# Altium PCB SPG300 Rev05.PcbDoc (part 2 of 8)
Units mm, origin at the board's own origin, x right, y up, seen from the top; angles counter-clockwise.
Board outline 176 x 152 mm, 6 copper layers (Top Layer, GND, Layer 1, Layer 2, PWR, Bottom Layer), stack 1.924 mm thick; 738 components, 393 nets, 2440 pads, 974 vias.
Unrouted connection lines stored in the file: 395.
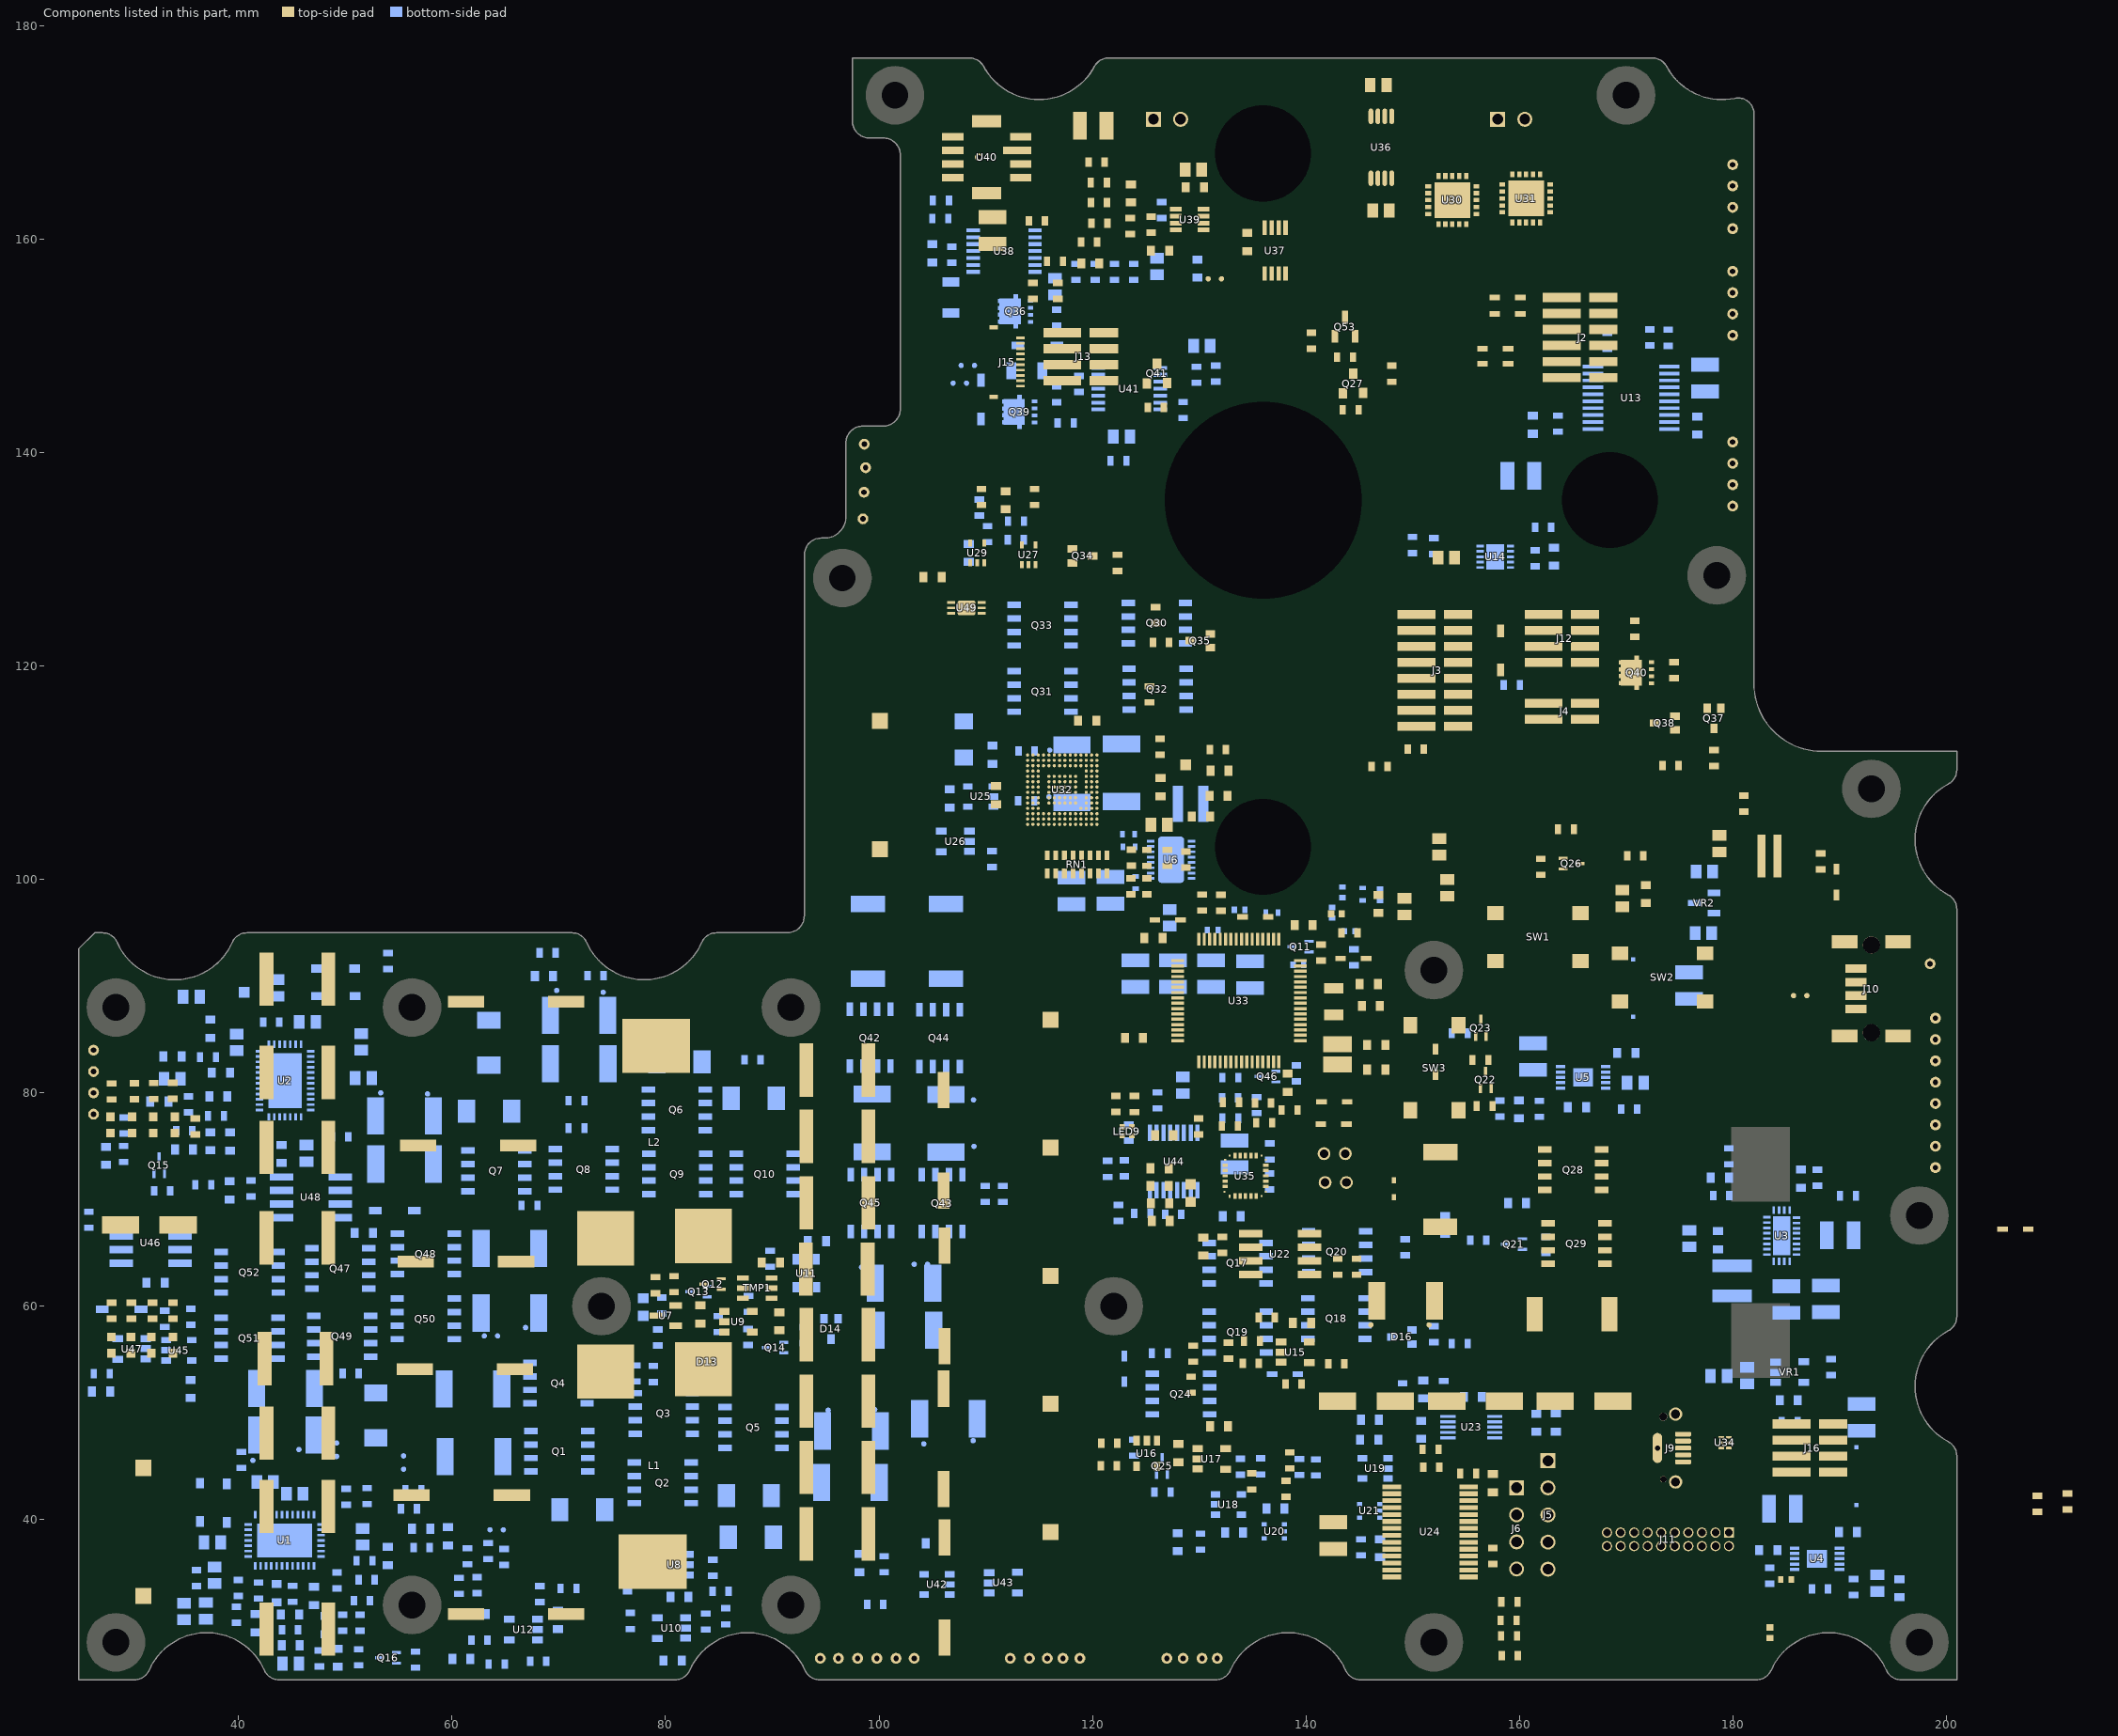
[diagram p6: the components of this part, seen from the top]

## Components (designator, comment, footprint, x,y, rotation, side; value= is the part's Value field where it differs from the comment) (continued)
R95 "RES SMD 0603" "SMD 0603 (1608 Metric)" 87.726,57.125 r90 bottom value=1K
R96 "RES SMD 0603" "SMD 0603 (1608 Metric)" 89.799,64.45 r270 bottom value=10K
R97 "RES SMD 0603" "SMD 0603 (1608 Metric)" 64.175,26.451 r180 bottom value=100
R98 "RES SMD 0603" "SMD 0603 (1608 Metric)" 68.075,26.724 r0 bottom value=10K
R99 "RES SMD 0603" "SMD 0603 (1608 Metric)" 62.5,31.151 r180 bottom value=45K
R100 "RES SMD 0603" "SMD 0603 (1608 Metric)" 92.999,57.3 r270 bottom value=10K
R101 "RES SMD 0603" "SMD 0603 (1608 Metric)" 79.649,60.075 r270 bottom value=10K
R102 "RES SMD 0603" "SMD 0603 (1608 Metric)" 29.291,76.95 r90 bottom value=11.5K
R103 "RES SMD 0603" "SMD 0603 (1608 Metric)" 51.375,30.325 r90 bottom value=11.5K
R104 "RES SMD 0603" "SMD 0603 (1608 Metric)" 79.275,57.075 r270 bottom value=620
R105 "RES SMD 0603" "SMD 0603 (1608 Metric)" 29.216,74.275 r90 bottom value=1K
R106 "RES SMD 0603" "SMD 0603 (1608 Metric)" 51.25,27.1 r90 bottom value=1K
R107 "RES SMD 0603" "SMD 0603 (1608 Metric)" 32.82,70.81 r180 bottom value=10K
R108 "RES SMD 0603" "SMD 0603 (1608 Metric)" 56.574,26.875 r270 bottom value=10K
R109 "RES SMD 0603" "SMD 0603 (1608 Metric)" 149.301,65.522 r90 bottom value=100K
R110 "RES SMD 0603" "SMD 0603 (1608 Metric)" 156.36,83.076 r0 top value=10K
R111 "RES SMD 0603" "SMD 0603 (1608 Metric)" 156.149,66.199 r0 bottom value=4.99K
R112 "RES SMD 0603" "SMD 0603 (1608 Metric)" 151.999,57.371 r270 bottom value=499K
R113 "RES SMD 0603" "SMD 0603 (1608 Metric)" 154.425,56.496 r180 bottom value=499K
R114 "RES SMD 0603" "SMD 0603 (1608 Metric)" 162.5,65.75 r90 bottom value=100K
R115 "RES SMD 0603" "SMD 0603 (1608 Metric)" 156.75,78.774 r180 top value=100K
R116 "RES SMD 0603" "SMD 0603 (1608 Metric)" 181.051,107.105 r270 top value=470
R117 "RES SMD 0603" "SMD 0603 (1608 Metric)" 126.321,55.603 r180 bottom value=10K
R118 "RES SMD 0603" "SMD 0603 (1608 Metric)" 150.299,112.225 r0 top value=332K
R119 "RES SMD 0603" "SMD 0603 (1608 Metric)" 123.901,46.74 r90 bottom value=1K
R120 "RES SMD 0603" "SMD 0603 (1608 Metric)" 146.9,110.599 r180 top value=10K
R121 "RES SMD 0603" "SMD 0603 (1608 Metric)" 126.574,42.575 r0 bottom value=100K
R122 "RES SMD 0603" "SMD 0603 (1608 Metric)" 164.37,104.701 r0 top value=10K
R123 "RES SMD 0603" "SMD 0603 (1608 Metric)" 170.876,102.223 r0 top value=1K
R124 "RES SMD 0603" "SMD 0603 (1608 Metric)" 172.225,150.8 r270 bottom value=2.2K
R125 "RES SMD 0603" "SMD 0603 (1608 Metric)" 173.953,150.775 r90 bottom value=2.2K
R126 "RES SMD 0603" "SMD 0603 (1608 Metric)" 163.627,142.717 r270 bottom value=16.9K
R127 "RES SMD 0603" "SMD 0603 (1608 Metric)" 152.001,131.249 r90 bottom value=2.2K
R128 "RES SMD 0603" "SMD 0603 (1608 Metric)" 150.001,131.349 r90 bottom value=2.2K
R129 "RES SMD 0603" "SMD 0603 (1608 Metric)" 162.02,101.189 r90 top value=100K
R130 "RES SMD 0603" "SMD 0603 (1608 Metric)" 168.25,150.5 r270 bottom value=10K
R131 "RES SMD 0603" "SMD 0603 (1608 Metric)" 161.501,130.099 r90 bottom value=976K
R132 "RES SMD 0603" "SMD 0603 (1608 Metric)" 162.25,133 r180 bottom value=102K
R133 "RES SMD 0603" "SMD 0603 (1608 Metric)" 136.35,58.949 r180 top value="1K 0.1%"
R134 "RES SMD 0603" "SMD 0603 (1608 Metric)" 134.85,54.649 r180 top value="10K 0.1%"
R135 "RES SMD 0603" "SMD 0603 (1608 Metric)" 134.95,56.736 r0 top value=324
R136 "RES SMD 0603" "SMD 0603 (1608 Metric)" 142.85,54.6 r0 top value="10K 0.1%"
R137 "RES SMD 0603" "SMD 0603 (1608 Metric)" 138.85,52.699 r180 top value="1K 0.1%"
R138 "RES SMD 0603" "SMD 0603 (1608 Metric)" 132.749,55.85 r90 top value=976
R139 "RES SMD 0603" "SMD 0603 (1608 Metric)" 129.251,52.65 r270 top value="10K 0.1%"
R140 "RES SMD 0603" "SMD 0603 (1608 Metric)" 129.451,55.55 r270 top value=806
R141 "RES SMD 2512" "SMD 2512 (6332 Metric)" 106.516,49.449 r0 bottom value=0.005
R142 "RES SMD 0603" "SMD 0603 (1608 Metric)" 121.538,45.049 r180 top value=5K
R143 "RES SMD 0603" "SMD 0603 (1608 Metric)" 121.589,47.15 r180 top value=5K
R144 "RES SMD 0603" "SMD 0603 (1608 Metric)" 138.15,42.9 r270 top value=30K
R145 "RES SMD 0603" "SMD 0603 (1608 Metric)" 134.927,43.58 r270 top value="250K, 0.1%"
R146 "RES SMD 0603" "SMD 0603 (1608 Metric)" 138.5,45.55 r270 top value="28K, 0.1%"
R147 "RES SMD 0603" "SMD 0603 (1608 Metric)" 145.178,37.405 r90 bottom value=453K
R148 "RES SMD 0603" "SMD 0603 (1608 Metric)" 130.126,37.93 r90 bottom value=453K
R149 "RES SMD 0603" "SMD 0603 (1608 Metric)" 140.94,44.89 r270 bottom value=5K
R150 "RES SMD 0603" "SMD 0603 (1608 Metric)" 139.399,44.94 r270 bottom value=5K
R151 "RES SMD 0603" "SMD 0603 (1608 Metric)" 133.863,44.965 r270 bottom value=5K
R152 "RES SMD 0603" "SMD 0603 (1608 Metric)" 135.778,44.99 r270 bottom value=5K
R153 "RES SMD 0603" "SMD 0603 (1608 Metric)" 132.176,65.75 r270 top value=2M
R154 "RES SMD 2512" "SMD 2512 (6332 Metric)" 149.35,60.499 r180 top value=0.005
R155 "RES SMD 0603" "SMD 0603 (1608 Metric)" 143.001,63.7 r90 top value=4.99K
R156 "RES SMD 0603" "SMD 0603 (1608 Metric)" 144.75,63.7 r90 top value=4.99K
R157 "RES SMD 0603" "SMD 0603 (1608 Metric)" 152.926,52.25 r90 bottom value=5K
R158 "RES SMD 0603" "SMD 0603 (1608 Metric)" 149.074,52.025 r270 bottom value=1K
R159 "RES SMD 0603" "SMD 0603 (1608 Metric)" 159.051,29.101 r0 top value=4.99K
R160 "RES SMD 0603" "SMD 0603 (1608 Metric)" 159.001,30.551 r0 top value=4.99K
R161 "RES SMD 0603" "SMD 0603 (1608 Metric)" 159.1,27.251 r0 top value=4.99K
R162 "RES SMD 0603" "SMD 0603 (1608 Metric)" 159.08,32.299 r180 top value=1K
R163 "RES SMD 0603" "SMD 0603 (1608 Metric)" 155.206,44.33 r180 top value=10K
R164 "RES SMD 0603" "SMD 0603 (1608 Metric)" 157.531,36.581 r90 top value=10K
R165 "RES SMD 0603" "SMD 0603 (1608 Metric)" 151.75,44.916 r0 top value=10K
R166 "RES SMD 0603" "SMD 0603 (1608 Metric)" 151.69,46.594 r0 top value=10K
R167 "RES SMD 2512" "SMD 2512 (6332 Metric)" 122.726,110.002 r90 bottom value=.010
R168 "RES SMD 2512" "SMD 2512 (6332 Metric)" 118.076,109.925 r90 bottom value=.010
R169 "RES SMD 0603" "SMD 0603 (1608 Metric)" 113.8,107.374 r0 bottom value=5K
R170 "RES SMD 0603" "SMD 0603 (1608 Metric)" 113.825,112.049 r0 bottom value=5K
R171 "RES SMD 0603" "SMD 0603 (1608 Metric)" 125.93,124.775 r270 top value=1K
R172 "RES SMD 0603" "SMD 0603 (1608 Metric)" 125.351,117.35 r270 top value=1K
R173 "RES SMD 0603" "SMD 0603 (1608 Metric)" 122.347,129.676 r270 top value=1.5K
R174 "RES SMD 0603" "SMD 0603 (1608 Metric)" 126.425,122.224 r180 top value=1.5K
R175 "RES SMD 0603" "SMD 0603 (1608 Metric)" 110.601,101.925 r90 bottom value=250K
R176 "RES SMD 0603" "SMD 0603 (1608 Metric)" 114.574,135.85 r270 top value=10K
R177 "RES SMD 0603" "SMD 0603 (1608 Metric)" 112.825,131.85 r0 bottom value=10K
R178 "RES SMD 0603" "SMD 0603 (1608 Metric)" 112.844,133.575 r0 bottom value=499K
R179 "RES SMD 0603" "SMD 0603 (1608 Metric)" 109.399,134.866 r270 bottom value=1M
R180 "RES SMD 0603" "SMD 0603 (1608 Metric)" 110.175,132.367 r90 bottom value=523K
R181 "RES SMD 0603" "SMD 0603 (1608 Metric)" 109.599,135.85 r270 top value=10K
R182 "RES SMD 0603" "SMD 0603 (1608 Metric)" 122.195,78.976 r90 top value=249
R183 "RES SMD 0603" "SMD 0603 (1608 Metric)" 123.945,78.95 r90 top value=249
R184 "RES SMD 0603" "SMD 0603 (1608 Metric)" 188.251,101.7 r270 top value=1K
R185 "RES SMD 0603" "SMD 0603 (1608 Metric)" 138.474,78.399 r180 top value=10K
R186 "RES SMD 0603" "SMD 0603 (1608 Metric)" 141.425,93.15 r90 top value=20K*
R187 "RES SMD 0603" "SMD 0603 (1608 Metric)" 129.956,76.85 r90 top value=10K
R188 "RES SMD 0603" "SMD 0603 (1608 Metric)" 144.1,94.999 r180 top value=100
R189 "RES SMD 0603" "SMD 0603 (1608 Metric)" 127.026,102.024 r270 top value=2.2K
R190 "RES SMD 0603" "SMD 0603 (1608 Metric)" 128.751,101.875 r270 top value=2.2K
R191 "RES SMD 0603" "SMD 0603 (1608 Metric)" 132.977,79.124 r180 top value=2.2K
R192 "RES SMD 0603" "SMD 0603 (1608 Metric)" 132.05,97.811 r270 top value=100
R193 "RES SMD 0603" "SMD 0603 (1608 Metric)" 135.975,79.048 r0 top value=2.2K
R194 "RES SMD 0603" "SMD 0603 (1608 Metric)" 132.876,76.896 r0 top value=100
R195 "RES SMD 0603" "SMD 0603 (1608 Metric)" 130.275,97.837 r270 top value=100
R196 "RES SMD 0603" "SMD 0603 (1608 Metric)" 136.09,77.2 r0 top value=100
R197 "RES SMD 0603" "SMD 0603 (1608 Metric)" 125.099,102.024 r90 top value=1K
R198 "RES SMD 0603" "SMD 0603 (1608 Metric)" 123.601,99.35 r270 top value=10K
R199 "RES SMD 0603" "SMD 0603 (1608 Metric)" 125.1,99.349 r90 top value=10K
R200 "RES SMD 0603" "SMD 0603 (1608 Metric)" 123.654,102.05 r270 top value=15K
R201 "RES SMD 0603" "SMD 0603 (1608 Metric)" 126.351,112.441 r270 top value=49.9K
R202 "RES SMD 0603" "SMD 0603 (1608 Metric)" 131.75,112.175 r180 top value=49.9K
R203 "RES SMD 0603" "SMD 0603 (1608 Metric)" 105.799,163.649 r0 bottom value=DNI
R204 "RES SMD 0603" "SMD 0603 (1608 Metric)" 123.551,161.251 r270 top value=121K,
R205 "RES SMD 0603" "SMD 0603 (1608 Metric)" 118.45,156.952 r270 bottom value=1.5K
R206 "RES SMD 0603" "SMD 0603 (1608 Metric)" 105.75,161.949 r0 bottom value=0
R207 "RES SMD 0603" "SMD 0603 (1608 Metric)" 120.6,165.31 r0 top value=499
R208 "RES SMD 0603" "SMD 0603 (1608 Metric)" 125.5,161.366 r270 top value=7.5K
R209 "RES SMD 0603" "SMD 0603 (1608 Metric)" 120.399,167.229 r0 top value=4.99K
R210 "RES SMD 0603" "SMD 0603 (1608 Metric)" 122.072,156.952 r270 bottom value=120K
R211 "RES SMD 0603" "SMD 0603 (1608 Metric)" 123.871,156.952 r270 bottom value=120K
R212 "RES SMD 0603" "SMD 0603 (1608 Metric)" 120.25,156.952 r270 bottom value=182K
R213 "RES SMD 0603" "SMD 0603 (1608 Metric)" 116.659,152.651 r270 bottom value=10K
R214 "RES SMD 0603" "SMD 0603 (1608 Metric)" 106.823,158.549 r90 bottom value=1K
R215 "RES SMD 0603" "SMD 0603 (1608 Metric)" 116.5,157.949 r180 top value=499
R216 "RES SMD 0603" "SMD 0603 (1608 Metric)" 120.666,161.501 r0 top value=40.2K
R217 "RES SMD 1206" "SMD 1206 (3216 Metric)" 106.726,154.55 r90 bottom value=1
R218 "RES SMD 0603" "SMD 0603 (1608 Metric)" 114.794,161.724 r0 top value=4.99K
R219 "RES SMD 0603" "SMD 0603 (1608 Metric)" 119.701,159.749 r180 top value=1M
R220 "RES SMD 0603" "SMD 0603 (1608 Metric)" 120.602,163.444 r180 top value=383
R221 "RES SMD 0603" "SMD 0603 (1608 Metric)" 118.751,146.451 r90 bottom value=DNI
R222 "RES SMD 0603" "SMD 0603 (1608 Metric)" 170.834,123.5 r90 top value=10K
R223 "RES SMD 0603" "SMD 0603 (1608 Metric)" 122.445,139.251 r180 bottom value=1.5K
R224 "RES SMD 0402" "SMD 0402 (1005 Metric)" 185,34.4 r0 top value=10K
R225 "RES SMD 0603" "SMD 0603 (1608 Metric)" 117.5,142.799 r0 bottom value=0
R226 "RES SMD 0603" "SMD 0603 (1608 Metric)" 174.185,110.671 r180 top value=499K
R227 "RES SMD 0603" "SMD 0603 (1608 Metric)" 178.25,111.372 r270 top value=100K
R228 "RES SMD 0603" "SMD 0603 (1608 Metric)" 128.501,144 r270 bottom value=182K
R229 "RES SMD 0603" "SMD 0603 (1608 Metric)" 131.551,147.423 r90 bottom value=120K
R230 "RES SMD 0603" "SMD 0603 (1608 Metric)" 129.751,147.299 r90 bottom value=120K
R231 "RES SMD 0603" "SMD 0603 (1608 Metric)" 116.659,145.475 r270 bottom value=10K
R232 "RES SMD 0603" "SMD 0603 (1608 Metric)" 126.501,162.75 r90 bottom value=1K
R233 "RES SMD 1206" "SMD 1206 (3216 Metric)" 113.852,147.674 r0 bottom value=1
R234 "RES SMD 0603" "SMD 0603 (1608 Metric)" 148.049,147.4 r90 top value=4.99K
R235 "RES SMD 0603" "SMD 0603 (1608 Metric)" 125.951,144.25 r180 top value=10K
R236 "RES SMD 0603" "SMD 0603 (1608 Metric)" 174.5,119.62 r90 top value=10K
R237 "RES SMD 0603" "SMD 0603 (1608 Metric)" 109.951,70.525 r90 bottom value=5K
R238 "RES SMD 0603" "SMD 0603 (1608 Metric)" 111.601,70.525 r90 bottom value=5K
R239 "RES SMD 2512" "SMD 2512 (6332 Metric)" 99.351,77.175 r90 bottom value=.004
R240 "RES SMD 2512" "SMD 2512 (6332 Metric)" 106.276,77.149 r90 bottom value=.004
R241 "RES SMD 0603" "SMD 0603 (1608 Metric)" 136.623,74.5 r90 bottom value=33K
R242 "RES SMD 0603" "SMD 0603 (1608 Metric)" 126.099,79.3 r270 bottom value=90.9K
R243 "RES SMD 0603" "SMD 0603 (1608 Metric)" 100.495,35.824 r90 bottom value="250K, 0.1%"
R244 "RES SMD 0603" "SMD 0603 (1608 Metric)" 124.679,68.712 r180 bottom value=255K
R245 "RES SMD 0603" "SMD 0603 (1608 Metric)" 123.41,76.274 r270 bottom value="10K 0.1%"
R246 "RES SMD 0603" "SMD 0603 (1608 Metric)" 99.644,32.051 r180 bottom value=61.9K
R247 "RES SMD 0603" "SMD 0603 (1608 Metric)" 136.599,71.7 r270 bottom value="1K 0.1%"
R248 "RES SMD 0603" "SMD 0603 (1608 Metric)" 127.575,68.625 r180 bottom value=2.7
R249 "RES SMD 0603" "SMD 0603 (1608 Metric)" 132.925,77.624 r0 bottom value=10K
R250 "RES SMD 0603" "SMD 0603 (1608 Metric)" 132.9,79.525 r0 bottom value=200K
R251 "RES SMD 0603" "SMD 0603 (1608 Metric)" 132.925,81.421 r180 bottom value=1.45K
R252 "RES SMD 0603" "SMD 0603 (1608 Metric)" 123,72.923 r90 bottom value=20K
R253 "RES SMD 0603" "SMD 0603 (1608 Metric)" 135.4,78.85 r270 bottom value=0
R254 "RES SMD 0603" "SMD 0603 (1608 Metric)" 139.101,81.82 r90 bottom value=10K
R255 "RES SMD 0603" "SMD 0603 (1608 Metric)" 116.76,155.166 r90 top value=10K
R256 "RES SMD 0603" "SMD 0603 (1608 Metric)" 114.423,155.17 r90 top value=10K
R257 "RES SMD 2512" "SMD 2512 (6332 Metric)" 44.378,47.929 r0 bottom value=.004
R258 "RES SMD 2512" "SMD 2512 (6332 Metric)" 44.391,52.285 r0 bottom value=.004
R259 "RES SMD 0603" "SMD 0603 (1608 Metric)" 36.676,71.399 r180 bottom value=2M
R260 "RES SMD 0603" "SMD 0603 (1608 Metric)" 33.062,58.82 r90 bottom value=5K
R261 "RES SMD 0603" "SMD 0603 (1608 Metric)" 35.52,59 r90 bottom value=5K
R262 "RES SMD 0603" "SMD 0603 (1608 Metric)" 27.175,53.675 r0 bottom value=64.9K
R263 "RES SMD 0603" "SMD 0603 (1608 Metric)" 40.255,45.593 r90 bottom value=90.9K
R264 "RES SMD 0603" "SMD 0603 (1608 Metric)" 25.95,68.1 r270 bottom value=10K
R265 "RES SMD 0603" "SMD 0603 (1608 Metric)" 41.151,71.043 r270 bottom value=10K
R266 "RES SMD 0603" "SMD 0603 (1608 Metric)" 122.45,68.75 r270 bottom value="10K 0.1%"
R267 "RES SMD 0603" "SMD 0603 (1608 Metric)" 154.419,85.598 r0 bottom value=10K
R268 "RES SMD 0603" "SMD 0603 (1608 Metric)" 159.3,118.225 r0 bottom value=10K
R269 "RES SMD 0603" "SMD 0603 (1608 Metric)" 208.55,41.475 r90 top value=1K
R270 "RES SMD 0603" "SMD 0603 (1608 Metric)" 211.375,41.7 r90 top value=1K
R271 "RES SMD 0603" "SMD 0603 (1608 Metric)" 144.2,144.025 r0 top value=10K
R272 "RES SMD 0603" "SMD 0603 (1608 Metric)" 121.437,72.873 r90 bottom value=1.45K
R273 "RES SMD 0603" "SMD 0603 (1608 Metric)" 140.516,150.5 r270 top value=4.99K
R274 "RES SMD 0603" "SMD 0603 (1608 Metric)" 143.675,148.959 r0 top value=4.99K
REF_1 "Test Point" "Test Point 1mm"#18 198.739,74.745 r90 top
RN1 "Resistor Network" "RESN 742 h=.35" 118.575,101.426 r270 top value=33K
RXD1 "Test Point" "Test Point 1mm"#7 131.7,27 r90 top
SIADJ1 "Test Point" "Test Point 1mm"#19 43.1,93.6 r90 top
SMB_INT_SCL1 "Test Point" "Test Point 1mm"#20 179.836,141 r90 top
SMB_INT_SDA1 "Test Point" "Test Point 1mm"#21 180.399,139.7 r90 top
STKFAN1 "Test Point" "Test Point 1mm"#7 98.624,140.8 r90 top
SW1 "Switch Mom" "C&K PTE645-SMT" 161.759,94.601 r0 top
SW2 "Switch Mom" "C&K PTE645-SMT" 173.426,90.826 r0 top
SW3 "Switch Mom" "C&K PTE645-SMT" 152.051,82.35 r90 top
TEMPLIM1 "Test Point" "Test Point 1mm"#22 101.599,26.3 r90 top
TH1 "THERM" "RESC 0603 (1608 Metric)_N" 77.9,59.924 r90 bottom value=10K
TH2 "THERM" "RESC 0603 (1608 Metric)_N" 129.2,70.6 r90 top value=10K
TMP1 "TMP100" SOT23-6N 88.601,61.7 r180 top
TXD1 "Test Point" "Test Point 1mm"#7 130.274,27 r90 top
TZ1 "Transient voltage suppressor- prevents ESD on inputs." DO214AB-SMC 106.275,94.2 r90 bottom
U1 "LT8705" QFN38 44.3,38.05 r0 bottom
U2 "LT8705" QFN38 44.338,81.151 r270 bottom
U3 "LT8620" "QFN24-EP-LTC UDD" 184.59,66.593 r180 bottom
U4 "LT8607" MSOP10-EP 187.901,36.338 r180 bottom
U5 "LT8607" MSOP10-EP 165.976,81.45 r180 bottom
U6 "LTC3115-1" DFN16-EP 127.373,101.85 r180 bottom
U7 "TC1047A" SOT23-3L 80.026,59.125 r180 top
U8 "LMC7101" SOT23-5 80.826,35.775 r180 bottom
U9 "LMC7101" SOT23-5 86.825,58.549 r0 top
U10 "LMC7101" SOT23-5 80.551,29.85 r180 bottom
U11 "LMC7101" SOT23-5 93.175,63.101 r270 bottom
U12 "LMC7101" SOT23-5 66.676,29.7 r180 bottom
U13 "ADM3260" SSOP-20 170.484,145.149 r0 bottom
U14 "LTC4316" "DFN10-EP - LTC" 157.752,130.249 r180 bottom
U15 "LMC7101" SOT23-5 138.999,55.7 r0 top
U16 "ZXCT1082" "SOT23-5L 3.0x1.5x145" 125.1,46.201 r270 top value=ZXCT1802
U17 "LMC7101" SOT23-5 131.172,45.7 r0 top
U18 "ZXCT1082" "SOT23-5L 3.0x1.5x145" 132.748,41.424 r0 bottom value=ZXCT1802
U19 "ZXCT1082" "SOT23-5L 3.0x1.5x145" 146.501,44.795 r180 bottom value=ZXCT1802
U20 "AD8500" SC70-5 137.052,38.9 r180 bottom value=LMC7101
U21 "AD8500" SC70-5 145.978,40.824 r180 bottom value=LMC7101
U22 "MIC5021" SOIC-8 137.6,64.899 r180 top
U23 "ADS1115" TFSSOP-10 155.5,48.675 r0 bottom
U24 "PIC24FJ64" SSOP28 151.651,38.856 r180 top value=PIC24FJ64GA002-E/SS-ND
U25 "ZXCT1082" "SOT23-5L 3.0x1.5x145" 109.526,107.774 r180 bottom
U26 "LMC7101" SOT23-5 107.151,103.574 r180 bottom
U27 "74AUP1G08" SOT353-1-5L 114.021,130.449 r90 top
U29 "74AUP1G08" SOT353-1-5L 109.21,130.624 r90 top
U30 "MCP9600/L00" MQFN20-EP 153.727,163.675 r270 top
U31 "MCP9600/L00" MQFN20-EP 160.65,163.827 r270 top
U32 "MTFC8GACAAAM - SPECIAL" BGA-153 117.174,108.415 r180 top value=MTFC8GACAAAM
U33 "STM32L476RG" LQFP64P 133.727,88.65 r90 top
U34 "TPD4S012" DFN1410-6 179.274,47.213 r0 top
U35 "STM8L151G3U6" "UFQFPN28 - ST Micro" 134.349,72.225 r0 top value=STM8L151G
U36 "AT24HC020" TSSOP-8 147.074,168.625 r90 top value=AT24HC02
U37 "MAX11613" "uMAX 8" 137.125,158.948 r90 top
U38 "DRV110" TSSOP-14 111.725,158.9 r180 bottom
U39 "OPA2379" SOT23-8-H1.45 129.125,161.849 r0 top
U40 "ICSP 1471-15G-T" "ICSP1451 Top Barb" 110.101,167.7 r180 top
U41 "DRV110" TSSOP-14 123.451,146 r180 bottom
U42 "ZXCT1082" "SOT23-5L 3.0x1.5x145" 105.426,33.925 r180 bottom value=ZXCT1802
U43 "LMC7101" SOT23-5 111.648,34.075 r0 bottom
U44 "ADM1270 Input Protection Device" QSOP16 127.619,73.572 r270 bottom value=AMD1270
U45 "ZXCT1082" "SOT23-5L 3.0x1.5x145" 34.399,55.875 r0 bottom value=ZXCT1802
U46 "MIC5021" SOIC-8 31.75,65.954 r0 bottom
U47 "LMC7101" SOT23-5 29.975,56.025 r180 bottom
U48 "MIC5021" SOIC-8 46.757,70.209 r0 bottom
U49 "LTC6993-2 DFN" DFN6-EP_LTC 108.2,125.45 r0 top
VB1 "Test Point" "Test Point 1mm"#7 118.825,27 r90 top
VB2 "Test Point" "Test Point 1mm"#7 117.239,27 r90 top
VB3 "Power Connector" 7466003 116,66 r0 top
VB4 "Power Connector" 7466003 116,54 r0 top
VB-1 "Power Connector" 7466003 116,42 r0 top
VBAT1 "Test Point" "Test Point 1mm"#23 198.869,85.95 r90 top
VBAT2 "Test Point" "Test Point 1mm"#24 198.869,83.949 r90 top
VBAT3 "Test Point" "Test Point 1mm"#7 115.774,27 r90 top
VOUT+1 "Power Connector" 7466003 116,90 r0 top
VOUT-1 "Power Connector" 7466003 116,78 r0 top
VR1 "MIC5025" SOT23-5 185.349,53.8 r0 bottom value=MIC5205
VR2 "Series Voltage Ref" SOT23-3L 177.326,97.8 r180 bottom
VTEMP1 "Test Point" "Test Point 1mm"#7 112.299,27 r90 top
XTAL1 "XTAL1" NX3225 142.954,83.6 r270 top value=32.768KHz